# Altium PCB X3.PcbDoc (part 2 of 2) (continued)
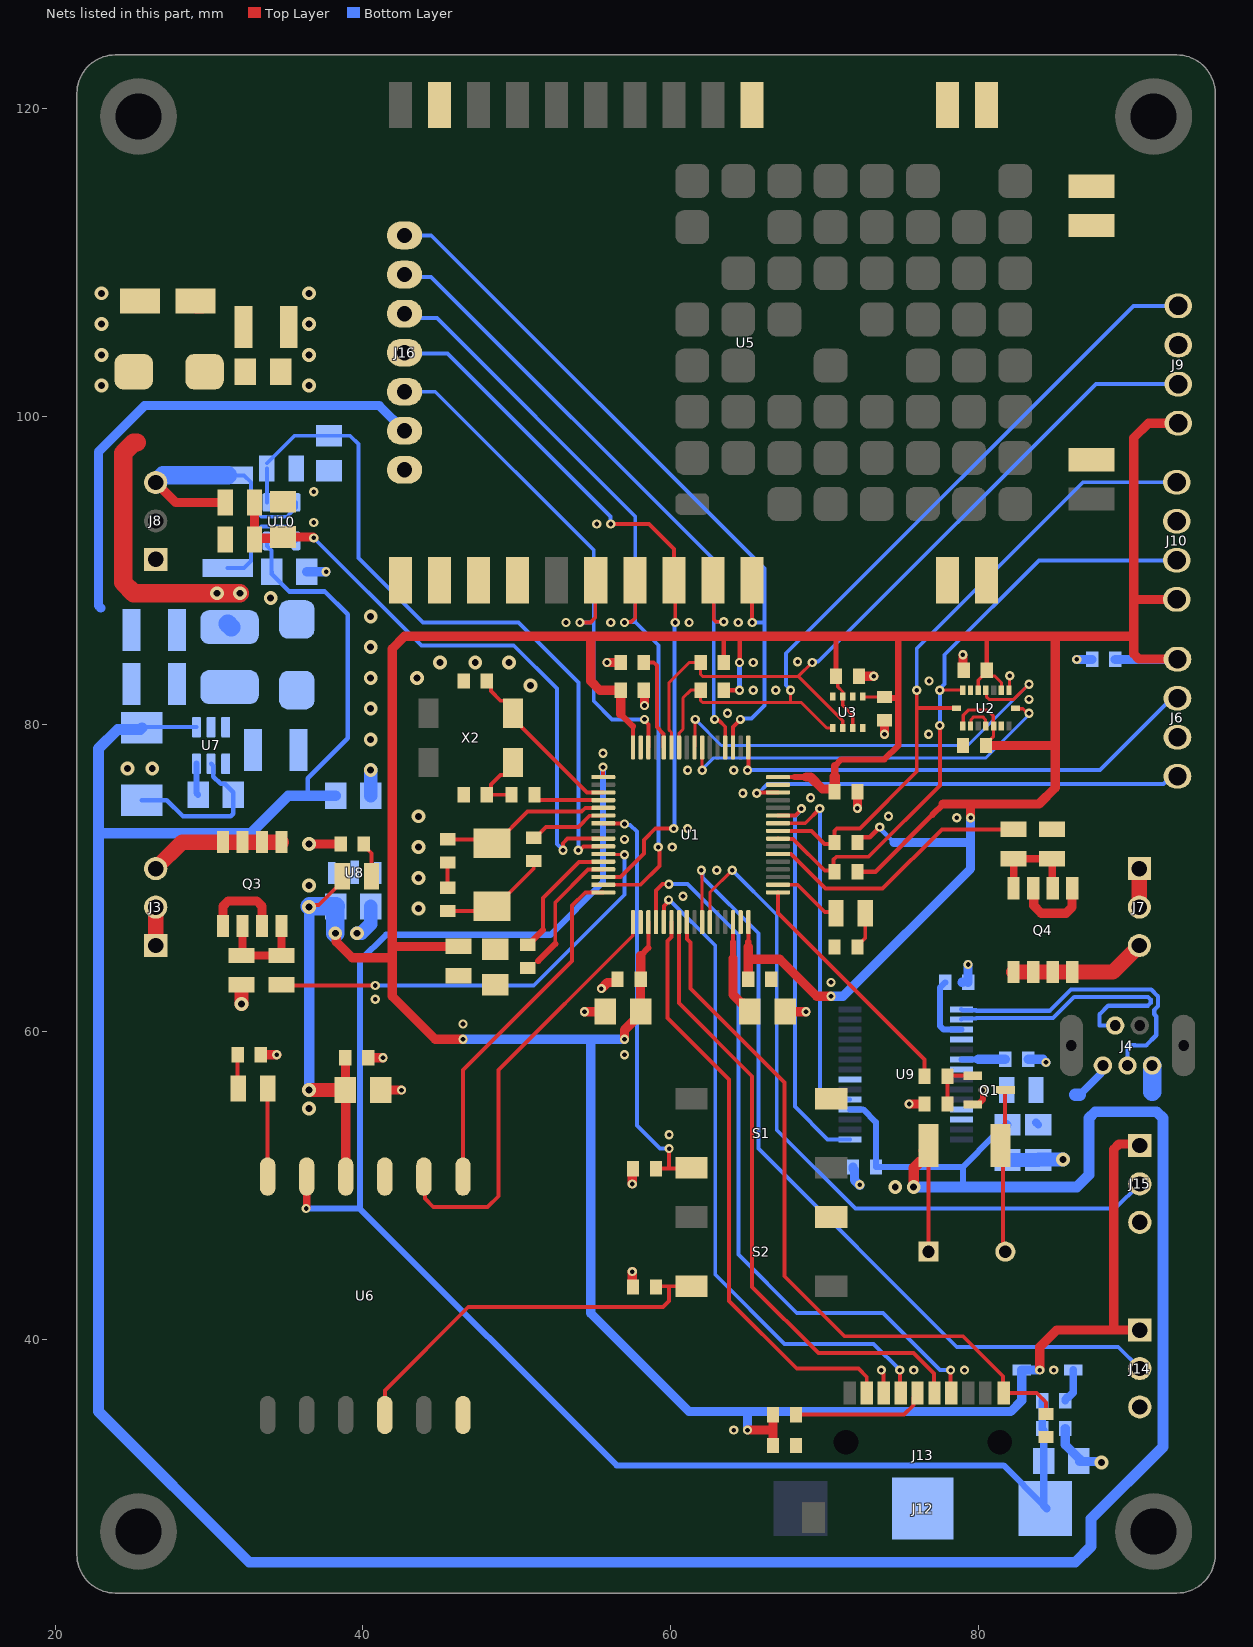
[diagram p2: the nets of this part, all layers, seen from the top]
## Part data (continued)
U10: "2.7 to 36V, 440kHz Variable gain current sense amplifier 5-SOT-23 -40 to 125", Manufacturer="Texas Instruments", Category="Amplifiers - Op Amps, Buffer, Instrumentation", ComponentLink1Description=https://datasheet.ciiva.com/15128/getdatasheetpartid-248784-15128606.pdf?src-supplier=Verical, ComponentLink1URL=https://datasheet.ciiva.com/15128/getdatasheetpartid-248784-15128606.pdf?src-supplier=Verical, ComponentLink2Description=https://datasheet.ciiva.com/1939/ina139-1939992.pdf?src-supplier=Digikey, ComponentLink2URL=https://datasheet.ciiva.com/1939/ina139-1939992.pdf?src-supplier=Digikey, ComponentLink3Description=https://datasheet.ciiva.com/1939/ina139-1939993.pdf?src-supplier=Digikey, ComponentLink3URL=https://datasheet.ciiva.com/1939/ina139-1939993.pdf?src-supplier=Digikey, ComponentLink4Description=https://datasheet.ciiva.com/1939/ina139-1939994.pdf?src-supplier=Digikey, ComponentLink4URL=https://datasheet.ciiva.com/1939/ina139-1939994.pdf?src-supplier=Digikey, ComponentLink5Description=https://datasheet.ciiva.com/2976/ina169-2976115.pdf?src-supplier=Avnet, ComponentLink5URL=https://datasheet.ciiva.com/2976/ina169-2976115.pdf?src-supplier=Avnet, Manufacturer Part Number=INA139NA/3K, Pricing 1="1=1,5, 10=1,27, 50=1,27, 100=1,02, 1000=0,737, 10000=0,736 (USD)", RoHS=Yes, Stock 1=20541, Supplier 1=Mouser
X1: "Crystal 8MHz ±20ppm (Tol) ±30ppm (Stability) 18pF FUND 140Ohm 2-Pin Mini-CSMD T/R", Manufacturer=Abracon, Category=Crystals, ComponentLink1Description=https://datasheet.ciiva.com/862/abm3-862465.pdf?src-supplier=Digikey, ComponentLink1URL=https://datasheet.ciiva.com/862/abm3-862465.pdf?src-supplier=Digikey, Manufacturer Part Number=ABM3-8.000MHZ-D2Y-T, Pricing 1="1000=0,325, 2000=0,275, 3000=0,315, 4000=0,27, 5000=0,31, 10000=0,305, 20000=0,295 (USD)", Reach SVHC Compliant=4187SVHC, RoHS=Yes, Stock 1=237000, Supplier 1="Future Electronics"
X2: "Crystal, Plastic Molded 32.768Khz, 6Pf, 20Ppm-40+85C, 8 X 3.8 X 2.5 Rohs Compliant: Yes", Manufacturer=Abracon, Category=Crystals, ComponentLink1Description=https://datasheet.ciiva.com/854/abs25-854528.pdf?src-supplier=Digi-Key, ComponentLink1URL=https://datasheet.ciiva.com/854/abs25-854528.pdf?src-supplier=Digi-Key, ComponentLink2Description=https://datasheet.ciiva.com/26909/getdatasheetpartid-722397-26909970.pdf?src-supplier=Verical, ComponentLink2URL=https://datasheet.ciiva.com/26909/getdatasheetpartid-722397-26909970.pdf?src-supplier=Verical, ComponentLink3Description=https://datasheet.ciiva.com/854/abs25-854527.pdf?src-supplier=Digi-Key, ComponentLink3URL=https://datasheet.ciiva.com/854/abs25-854527.pdf?src-supplier=Digi-Key, ComponentLink4Description=https://datasheet.ciiva.com/854/abs25-854529.pdf?src-supplier=Digi-Key, ComponentLink4URL=https://datasheet.ciiva.com/854/abs25-854529.pdf?src-supplier=Digi-Key, ComponentLink5Description=https://datasheet.ciiva.com/5788/abs25-5788102.pdf?src-supplier=Farnell, ComponentLink5URL=https://datasheet.ciiva.com/5788/abs25-5788102.pdf?src-supplier=Farnell, ComponentLink6Description=https://datasheet.ciiva.com/1357/1856019-1357324.pdf?src-supplier=Element14, ComponentLink6URL=https://datasheet.ciiva.com/1357/1856019-1357324.pdf?src-supplier=Element14, ComponentLink7Description=https://datasheet.ciiva.com/7998/1856019-7998662.pdf?src-supplier=Element14, ComponentLink7URL=https://datasheet.ciiva.com/7998/1856019-7998662.pdf?src-supplier=Element14, Manufacturer Part Number=ABS25-32.768KHZ-6-T, Pricing 1="3000=0,375, 6000=0,365, 9000=0,365, 12000=0,36, 15000=0,35 (USD)", RoHS=Yes, Stock 1=399000, Supplier 1="Future Electronics"

## Free pads (board coordinates)
  round 5 hole 3: ""(25.4,27.5) ""(25.4,119.5) ""(91.4,27.5) ""(91.4,119.5)

## Via types
v1: diameter 0.6, hole 0.3, Top Layer to Bottom Layer, tented both sides, 107 vias
v2: diameter 0.9, hole 0.45, Top Layer to Bottom Layer, tented both sides, 40 vias

## Nets (pads, with @x,y where several pads share a name; then routed paths per layer and width w, separated by ;. In a path a pad name is that pad's centre, name@x,y a point inside that pad or via, vN(x,y) a via of type N, cw(c..) or ccw(c..) an arc to the next point about the centre after c; other vN are vias at no path point)
3V3: C5.2 C7.2 C8.2 C9.2 C10.2 C13.2 C14.2 C15.2 C16.2 C17.2 C21.2 C27.2 C29.2 D3.A D7.C FB1.1 FB3.2 J6.4 J9.4 J10.4 J14.1 J15.1 R3.2 R5.2 R6.2 R7.2 R17.2 U1.19 U1.32 U1.48 U1.64 U2.3 U2.7 U2.11 U2.14 U3.2 U3.6 U3.8 U6.4 U8.3 | length 355.1
  Top Layer w0.2: C27.2@70.75,83.1 70.866,82.984 70.866,82.417 71.2,82.083 71.2,81.802 U3.6@71.189,81.791 71.189,81.211 71.839,80.561 U3.2@71.839,79.741 ; U3.8@72.489,81.791 72.53,81.75 C13.2@73.85,81.75 ; U2.7@78.997,79.867 79.022,79.892 79.022,80.578 79.344,80.9 80.6,80.9 80.972,80.528 80.972,79.892 U2.3@80.997,79.867 80.997,79.197 80.5,78.7 C15.2@80.5,78.6 ; U2.11@79.997,82.197 79.997,82.847 80.55,83.4 C14.2@80.55,83.5 ; C14.2@80.821,83.142 80.85,83.113 81.087,83.113 81.497,82.703 U2.14@81.497,82.197
  Top Layer w0.254: v2@36.6,68.1 36.724,68.224 37.124,68.224 38.65,69.75 D3.A@38.65,70.1 ; U1.64@57.55,78.48 57.55,79.85 ; 58.55,65.45 U1.19@58.55,67.12 ; 65.05,65.85 U1.32@65.05,67.12 ; U1.48@66.98,76.55 68.05,76.55
  Top Layer w0.3: R3.2@63.45,82.2 v1(64.473,82.2) ; R5.2@63.45,84 63.45,85.7 ; v1(64.473,84) 64.5,84.027 64.5,85.7 ; C27.2@70.75,83.1 70.75,85.7 ; R7.2@72.15,70.4 73.317,70.4 77.017,74.1 ; R6.2@72.15,72.3 72.15,72.4 72.4,72.65 72.95,72.65 v1(73.6,73.3) ; C14.2@80.55,83.5 80.55,85.7
  Top Layer w0.4: 56.75,80.65 57.55,79.85 ; 58.05,64.95 58.55,65.45 ; 65.05,65.5 65.05,65.85 ; 68.05,76.55 68.823,76.55 ; 70.667,77.267 71.1,77.7 73.9,77.7 74.8,78.6 74.8,81.7 ; C13.2@73.9,81.75 73.95,81.7 74.8,81.7 ; 74.8,85.7 74.8,81.7 ; 77.017,74.1 77.717,74.8
  Top Layer w0.5: 70.667,76.567 70.667,77.267
  Top Layer w0.6: v2@38.238,66.362 38.257,66.343 38.257,65.843 39.3,64.8 41.9,64.8 ; C17.2@38.857,56.2 C16.2@38.857,58.093 ; U6.4@38.88,50.58 C17.2@38.88,56.177 ; FB1.1@46.2,65.543 41.9,65.543 ; v1(46.5,59.5) 44.7,59.5 41.9,62.3 41.9,64.8 ; 56.75,80.65 C9.2@56.75,82.2 55.4,82.2 54.8,82.8 54.8,85.7 ; v1(57,59.5) 57,60.107 C5.2@58.043,61.15 ; C5.2@58.043,61.3 58.043,63.193 58.15,63.3 C7.2@58.1,63.35 ; C7.2@58.05,63.4 58.05,64.95 ; v1(65,34.1) 66.65,34.1 ; C10.2@65.05,63.5 65.05,64.7 ; 65.05,65.5 65.05,64.7 ; C29.2@66.65,33.1 66.65,34.1 ; FB3.2@66.65,35.1 66.65,34.1 ; 68.823,76.55 69.096,76.55 69.864,75.782 70.55,75.782 70.65,75.682 C8.2@70.65,75.6 ; v1(70.427,62.3) 69.5,62.3 67.1,64.7 65.05,64.7 ; 77.717,74.8 79.5,74.8 ; v1(79.5,73.9) 79.5,74.8 ; C15.2@80.5,78.6 85,78.6 ; v1(84,38) 84,39.5 85.1,40.6 88.8,40.6 ; J14.1@90.5,40.6 88.8,40.6 ; J15.1@90.5,52.6 90.4,52.7 89.151,52.7 88.8,52.349 88.8,40.6 ; J10.4@92.9,88.1 90.1,88.1 ; J6.4@92.95,84.22 90.451,84.22 90.1,84.571 90.1,85.7 ; J9.4@93,99.56 91.06,99.56 90.1,98.6 90.1,88.1 ; 41.9,64.8 41.9,65.543 ; 41.9,65.543 41.9,84.9 42.7,85.7 54.8,85.7 ; 54.8,85.7 63.45,85.7 64.5,85.7 70.75,85.7 74.8,85.7 80.55,85.7 85,85.7 ; 79.5,74.8 83.949,74.8 85,75.851 85,78.6 ; 85,78.6 85,85.7 ; 85,85.7 90.1,85.7 ; 90.1,85.7 90.1,88.1
  Top Layer w0.7: v2(38.2,66.4) v2@38.238,66.362 ; C5.2@58.043,61.15 C5.2@58.043,61.3 ; C8.2@70.65,75.6 70.667,75.617 70.667,76.567
  Top Layer w0.9: v2(36.5,56.2) C17.2@38.857,56.2
  Bottom Layer w0.3: v1(64.473,82.2) v1(64.473,84) ; v1(73.6,73.3) 73.6,73.219 74.519,72.3
  Bottom Layer w0.6: v1(46.5,59.5) 54.8,59.5 ; v1(57,59.5) 54.8,59.5 ; v1(65,34.1) 65,35.1 ; v1(70.427,62.3) 71.2,62.3 79.5,70.6 79.5,72.3 ; 74.519,72.3 79.5,72.3 ; v1(79.5,73.9) 79.5,72.3 ; v1(84,38) D7.C@82.82,38 82.82,36.02 82.1,35.3 61.2,35.3 54.8,41.7 54.8,59.5 ; R17.2@88.9,84.19 88.91,84.2 J6.4@92.95,84.2
  Bottom Layer w0.7: v2(36.5,68.1) 36.5,56.354 36.6,56.254 v2@36.6,56.2
  Bottom Layer w1.2: v2@36.54,68.14 C21.2@38.217,68.14 ; v2(38.2,66.4) C21.2@38.2,68.123
5V: C20.2 C23.2 C24.2 C25.2 C36.2 C37.2 C41.2 D5.1 FB2.2 J16.6 L1.2 U4.+ U7.1 U8.2 U9.4 U9.20 U10.5 | length 268.6
  Top Layer w0.254: U4.+@76.76,45.7 D5.1@76.76,52.59
  Top Layer w0.7: v2(75.8,49.9) 75.8,51.14 76.21,51.55 76.45,51.55 76.75,51.85 D5.1@76.75,52.58 ; D5.1@76.45,52.28 D5.1@76.75,52.58 ; D5.1@76.75,52.6 D5.1@76.75,52.58 ; D5.1@76.76,52.59 D5.1@76.75,52.58
  Bottom Layer w0.254: L1.2@25.625,79.755 25.665,79.795 U7.1@29.175,79.795 ; U10.5@33.75,91.895 33.75,91.574 34.057,91.267 C41.2@34.057,89.9
  Bottom Layer w0.3: C41.2@34.057,89.9 34.057,89.75 35.195,88.612 37.512,88.612 39,87.124 39,79.07 36.4,76.47 36.4,75.64 36.1,75.34 36.1,75.3
  Bottom Layer w0.4: U9.4@71.65,54.95 72.516,54.95 73.35,54.116 C24.2@73.35,51.2 79,51.2 ; U9.20@78.9,58.2 80,58.2 ; 79,49.9 79,51.2 ; C23.2@81.9,53.943 81.75,53.943 81.057,53.25 81.05,53.25 79,51.2
  Bottom Layer w0.5: C23.2@81.85,53.993 C23.2@81.9,53.943
  Bottom Layer w0.6: 22.95,87.55 22.8,87.7 22.8,97.7 25.8,100.7 41.06,100.7 J16.6@42.7,99.06 ; 80,58.2 C25.2@81.75,58.2
  Bottom Layer w0.7: L1.2@25.625,79.755 25.52,79.65 24.05,79.65 22.8,78.4 22.8,72.9 ; C20.2@38.217,75.34 36.1,75.34 35.14,75.34 32.7,72.9 22.8,72.9 ; v2(75.8,49.9) 79,49.9 86.4,49.9 87.2,50.7 87.2,54.39 87.61,54.8 91.59,54.8 92,54.39 92,33 87.329,28.329 87.329,26.529 86.3,25.5 32.6,25.5 22.8,35.3 22.8,72.9
11V1: C38.1 C39.2 C40.2 D8.2 F1.1 R13.1 U5.3 U5.4 U10.4 | length 25.3
  Top Layer w1.2: 25.3,98.3 25.103,98.3 24.4,97.597 24.4,89.203 25.103,88.5 v2(30.5,88.5) v2(32,88.5)
  Top Layer w1.4: C38.1@29.1,107.5 29.2,107.4 C38.1@29.5,107.4
  Bottom Layer w0.254: R13.1@31.2,90.137 32.26,90.137 32.708,90.585 32.708,92.129 33.406,92.827 35.159,92.827 35.495,92.492 35.495,92.051 U10.4@35.65,91.895
  Bottom Layer w1.2: F1.1@31.203,86.522 F1.1@31.425,86.3
ADC1_IN11: C30.2 R15.1 R16.2 U1.9 | length 40.1
  Top Layer w0.254: v1(53,71.8) 53.004,71.804 53.004,72.251 53.303,72.55 U1.9@55.62,72.55
  Top Layer w0.6: R15.1@32.95,94.4 R16.2@32.95,92 33.028,92.078 34.722,92.078 C30.2@34.8,92.157 36.743,92.157 v1(36.8,92.1)
  Bottom Layer w0.254: v1(36.8,92.1) 43.8,85.1 49.8,85.1 52.6,82.3 52.6,72.2 v1(53,71.8)
ADC1_IN12: C31.2 R22.2 U1.10 U10.1 | length 46.8
  Top Layer w0.254: v1(54,71.8) 54.094,71.8 54.344,72.05 U1.10@55.62,72.05
  Bottom Layer w0.254: U10.1@33.75,94.405 R22.2@33.75,96.6 ; R22.2@33.75,96.95 35.543,98.743 39.157,98.743 39.7,98.2 39.7,90.8 43.9,86.6 50.1,86.6 54,82.7 v1(54,71.8)
AVDD: C2.2 C3.2 FB1.2 U1.13 | length 8.3
  Top Layer w0.254: 52.5,65.7 52.5,68.4 54.637,70.537 55.607,70.537 U1.13@55.62,70.55
  Top Layer w0.4: 51.395,64.595 52.5,65.7
BOOT0: R1.2 U1.60 | length 6.4
  Top Layer w0.254: R1.2@58.25,84 58.9,84 59.1,83.8 59.1,79.796 59.537,79.359 59.537,78.493 U1.60@59.55,78.48
Buzzer: R8.1 U1.33 | length 15.9
  Top Layer w0.254: U1.33@66.98,69.05 66.98,67.72 76.5,58.2 R8.1@76.5,57.1
EXTI3: U1.55 U2.16 | length 25.4
  Top Layer w0.2: v1(62.05,77) U1.55@62.05,78.48 ; U2.16@82.412,81.032 82.454,80.99 82.902,80.99 83.192,80.7 v1(83.3,80.7)
  Bottom Layer w0.2: v1(62.05,77) 62.05,77.05 62.8,77.8 80.5,77.8 83.3,80.6 v1(83.3,80.7)
EXTI4: U1.56 U2.12 | length 29.6
  Top Layer w0.2: U1.56@61.55,78.48 61.575,78.505 61.575,80.275 v1(61.6,80.3) ; U2.12@80.497,82.197 80.522,82.172 80.522,81.778 80.7,81.6 82.31,81.6 v1(83.3,82.59)
  Bottom Layer w0.2: v1(61.6,80.3) 63.3,78.6 79.31,78.6 v1(83.3,82.59)
GND: C1.1 C2.1 C3.1 C4.1 C5.1 C7.1 C8.1 C9.1 C10.1 C11.1 C12.1 C13.1 C14.1 C15.1 C16.1 C17.1 C18.1 C20.1 C21.1 C22.1 C23.1 C24.1 C25.1 C26.1 C27.1 C28.1 C29.1 C30.1 C31.1 C32.1 C33.1 C34.1 C35.1 C36.1 C37.1 C38.2 C39.1 C40.1 C41.1 D2.1 D8.1 J4.5 J6.2 J8.1 J9.2 J10.2 J12.2 J13.6 J14.3 J15.3 J16.7 Q1.2 Q3.1 Q3.3 Q4.1 Q4.3 R1.1 R4.2 R9.1 R12.2 R14.2 R16.1 R17.1 R20.1 R21.1 R22.1 R24.1 S1.3 S2.3 U1.12 U1.18 U1.31 U1.47 U1.63 U2.2 U2.4 U2.6 U2.10 U2.15 U3.1 U3.5 U3.7 U5.1 U5.2 U5.11 U5.12 U5.14 U5.15 U5.16 U5.17 U5.18 U5.19 U5.27 U6.3 U6.12 U7.4 U8.1 U9.7 U9.18 U9.21 U9.25 U9.26 U10.2 | length 65.9
  Top Layer w0.2: U2.6@79.497,79.867 79.522,79.892 79.522,80.286 79.698,80.462 80.296,80.462 80.472,80.286 80.472,79.892 U2.4@80.497,79.867 ; U2.15@81.997,82.197 82.023,82.223 82.023,83.109 v1(82.048,83.134)
  Top Layer w0.254: C12.1@45.5,69.35 C11.1@45.5,71 ; C2.1@48.6,65.343 C2.1@48.9,65.643 ; C3.1@50.7,65.643 50.8,65.643 51.073,65.916 C3.1@51.073,65.976 ; 51.7,66.603 51.7,68.7 54.037,71.037 55.607,71.037 U1.12@55.62,71.05 ; v1(73.7,38) 73.7,37.906 73.85,37.756 J13.6@73.85,36.5
  Top Layer w0.4: C3.1@51.073,65.976 51.7,66.603 ; Q1.2@79.633,55.26 79.976,55.26 80.3,55.584 v1(80.3,56.2)
  Top Layer w0.6: Q3.1@30.895,66.875 30.895,68.149 31.246,68.5 33.084,68.5 33.435,68.149 Q3.3@33.435,66.875 ; R12.2@33.35,58.5 v1(34.4,58.5) ; v2(36.5,72.2) R14.2@38.55,72.2 ; C16.1@40.35,58.3 v1(41.3,58.3) ; C17.1@41.143,56.2 v1(42.5,56.2) ; v1(54.4,61.3) C5.1@55.757,61.3 ; v1(55.5,62.8) 55.9,63.2 56.45,63.2 56.55,63.3 C7.1@56.55,63.4 ; v1(55.861,84) R1.1@56.75,84 ; v1(57.5,44.4) 57.5,43.45 C28.1@57.55,43.4 ; v1(57.5,50.1) 57.5,51.05 C1.1@57.55,51.1 ; C9.1@58.25,82.2 58.3,82.15 v1(58.3,81.2) ; C4.1@67.443,61.3 v1(68.8,61.3) ; v1(72.139,74.523) 72.15,74.534 C8.1@72.15,75.6 ; C27.1@72.25,83.1 v1(73.2,83.1) ; v1(73.9,79.34) C13.1@73.9,80.25 ; v1(75.5,55.3) R9.1@76.5,55.3 ; v1(79,84.5) 79,83.55 C14.1@79.05,83.5 ; Q4.3@83.565,69.325 83.6,69.29 83.6,68.2 84.1,67.7 85.7,67.7 86.1,68.1 86.1,69.32 Q4.1@86.105,69.325
  Top Layer w0.9: v2(32.1,61.8) R20.1@32.1,63.05
  Bottom Layer w0.6: C41.1@36.343,89.9 v1(37.6,89.9) ; C24.1@71.85,51.2 71.85,51.1 71.95,51 71.95,50.35 v1@72.3,50 ; 78.938,63.212 C26.1@78.95,63.2 ; C26.1@79.338,63.212 v1(79.338,64.366) ; C25.1@83.25,58.2 84.2,58.2 v1(84.4,58) ; C34.1@85.65,34.2 85.65,33.143 86.593,32.2 86.593,32.05 87.95,32.05 v2(88,32) ; v1(86.4,84.2) R17.1@87.4,84.2
  Bottom Layer w0.9: v2(39.6,66.4) 39.9,66.4 40.5,67 40.5,68.137 C21.1@40.503,68.14 ; v2(40.5,77) 40.5,75.343 C20.1@40.503,75.34 ; C23.1@81.9,51.657 C22.1@83.9,51.657 83.943,51.7 v2(85.5,51.7)
  Bottom Layer w1.2: 91.3,56.1 91.3,56.6 J4.5@91.3,57.8
  other v1: 64.1,34.1 75.8,38 79.1,38 84.9,38 72.3,50.05 59.9,53.3 57,58.5 46.5,60.5 40.8,62.1 70.427,63.2 60.8,68.8 63,70.5 60.1,72 57,72.5 61.1,73.2 78.6,73.9 74.162,74.003 69.1,75.2 64.7,75.5 61.1,77 64.1,77 55.6,78.1 76.772,79.34 63.7,80.7 83.3,81.6 65.373,82.2 66.832,82.2 76.8,82.8 65.373,84 68.255,84.045 53.2,86.6 56.1,86.6 61.2,86.6 64.4,86.6 55.2,93 36.8,93.1 36.8,95.1
  other v2: 74.6,49.9 36.5,55 43.6,68 36.5,69.5 43.6,70 43.6,72 43.6,74 24.7,77.1 26.3,77.1 40.5,79 40.5,81 50.9,82.5 40.5,83 43.5,83 45,84 47.3,84 49.5,84 40.5,85 40.5,87 34,88.2 23,102 36.5,102 23,104 36.5,104 23,106 36.5,106 23,108 36.5,108
GPIO0: J14.2 U1.26 | length 53.8
  Top Layer w0.2: v1(62,70.5) 62.05,70.45 U1.26@62.05,67.12
  Bottom Layer w0.254: v1(62,70.5) 62.066,70.434 62.066,70.034 65.7,66.4 65.7,52.4 78.6,39.5 89.1,39.5 J14.2@90.5,38.1
GPIO1: J15.2 U1.27 | length 48.4
  Top Layer w0.2: U1.27@62.55,67.12 62.55,69.05 v1(64,70.5)
  Bottom Layer w0.254: v1(64,70.5) 66.9,67.6 66.9,53.614 72.014,48.5 88.9,48.5 J15.2@90.5,50.1
GPS_LED: D4.A U6.6 | length 5.7
  Top Layer w0.254: U6.6@33.8,50.58 D4.A@33.8,56.3
H_R_EXT: C12.2 R2.1 X1.2 | length 7.2
  Top Layer w0.254: C12.2@45.5,67.85 48.1,67.85 X1.2@48.4,68.15 48.65,68.15 50.968,70.468 51.1,70.6 R2.1@51.1,71.1
HSE_IN: C11.2 U1.5 X1.1 | length 11.2
  Top Layer w0.254: C11.2@45.5,72.5 48.15,72.5 X1.1@48.4,72.25 48.65,72.25 50.7,74.3 54.2,74.3 54.45,74.55 U1.5@55.62,74.55
HSE_OUT: R2.2 U1.6 | length 5.1
  Top Layer w0.254: R2.2@51.1,72.6 51.2,72.6 51.9,73.3 54,73.3 54.737,74.037 55.607,74.037 U1.6@55.62,74.05
I2C1-SCL: J9.1 R3.1 U1.58 U3.4 | length 52.9
  Top Layer w0.2: U1.58@60.55,78.48 60.554,78.484 60.554,79.42 60.8,79.666 60.8,81.7 61.3,82.2 R3.1@61.95,82.2 61.95,81.517 62.067,81.4 67.8,81.4 ; v1(67.8,82.2) 67.8,81.4 ; U3.4@70.539,79.741 70.159,79.741 68.5,81.4 67.8,81.4
  Bottom Layer w0.254: v1(67.8,82.2) 67.8,82.222 67.5,82.522 67.5,84.6 90.08,107.18 J9.1@93,107.18
I2C1-SDA: J9.3 R5.1 U1.59 U3.3 | length 51.2
  Top Layer w0.2: U1.59@60.05,78.48 60.05,79.45 59.9,79.6 59.9,82.7 61.2,84 R5.1@61.95,84 61.95,83.217 62.067,83.1 68.3,83.1 ; v1(69.2,84) 68.3,83.1 ; U3.3@71.189,79.741 71.189,80.211 68.3,83.1
  Bottom Layer w0.254: v1(69.2,84) 69.258,84.058 69.597,84.058 87.64,102.1 J9.3@93,102.1
I2C3-SCL: J10.1 R6.1 U1.41 U2.8 | length 43.7
  Top Layer w0.254: U1.41@66.98,73.05 69.15,73.05 70,72.2 70.65,72.2 R6.1@70.65,72.3 70.65,73.05 70.8,73.2 72.3,73.2 76,76.9 76,81.032 ; v1(76,82.2) 76,81.032 ; U2.8@78.582,81.032 76,81.032
  Bottom Layer w0.254: v1@76,82.3 76,84.9 86.82,95.72 J10.1@92.9,95.72
I2C3-SDA: J10.3 R7.1 U1.40 U2.9 | length 42
  Top Layer w0.2: v1(77.5,82.2) v1(77.5,82.2) 78.996,82.199 U2.9@78.997,82.197
  Top Layer w0.254: U1.40@66.98,72.55 66.993,72.537 67.963,72.537 70.018,70.482 70.568,70.482 R7.1@70.6,70.45 ; R7.1@70.65,70.4 R7.1@70.6,70.45 ; v1(77.5,79.9) 77.5,76 72.873,71.373 70.773,71.373 70.6,71.2 R7.1@70.6,70.45
  Bottom Layer w0.254: v1(77.5,79.9) 77.5,82.294 77.8,82.594 77.8,84.5 83.94,90.64 J10.3@92.9,90.64
IN+: J8.3 R13.2 R15.2 U10.3 | length 17
  Top Layer w0.6: J8.3@26.525,95.7 27.825,94.4 R15.2@31.05,94.4
  Bottom Layer w0.254: R13.2@31.2,96.163 32.26,96.163 32.708,95.715 32.708,94.171 33.406,93.473 35.044,93.473 35.322,93.751 35.322,93.756 35.65,94.084 U10.3@35.65,94.405
  Bottom Layer w1.2: J8.3@26.554,95.7 27.017,96.163 R13.2@31.2,96.163
  Bottom Layer w1.4: J8.3@26.525,95.7 J8.3@26.554,95.7
L_R_EXT: C33.2 R23.1 X2.4 | length 4.6
  Top Layer w0.254: R23.1@49.65,75.4 C33.2@48.05,75.4 48.315,75.665 48.315,76.065 48.935,76.685 49.227,76.685 49.75,77.208 X2.4@49.75,77.5
LED: D1.A U1.34 | length 4.5
  Top Layer w0.254: U1.34@66.98,69.55 68.25,69.55 70.018,67.782 70.668,67.782 D1.A@70.75,67.7
LED-K: D1.K R4.1 | length 2.4
  Top Layer w0.254: R4.1@72.15,65.5 72.15,65.6 72.65,66.1 D1.K@72.65,67.7
LSE_IN: C32.2 U1.3 X2.1 | length 11.2
  Top Layer w0.254: C32.2@48.05,82.8 48.315,82.535 48.315,82.135 48.935,81.515 49.227,81.515 49.75,80.992 X2.1@49.75,80.7 50.273,80.177 50.273,79.827 54.55,75.55 U1.3@55.62,75.55
LSE_OUT: R23.2 U1.4 | length 4.7
  Top Layer w0.254: R23.2@51.15,75.4 51.15,75.323 51.423,75.05 U1.4@55.62,75.05
MISO: J13.7 U1.22 | length 38.4
  Top Layer w0.254: U1.22@60.05,67.12 60.05,66.15 59.8,65.9 59.8,60.9 63.8,56.9 63.8,42.5 68.2,38.1 72.2,38.1 72.75,37.55 J13.7@72.75,36.5
MOSI: J13.3 U1.23 | length 41.1
  Top Layer w0.254: U1.23@60.55,67.12 60.55,61.85 65.3,57.1 65.3,43.4 69.6,39.1 75.8,39.1 77.118,37.782 77.118,36.532 J13.3@77.15,36.5
NetC18_2: C18.2 D2.2 F1.2 U7.2 U7.3
NetC19_1: C19.1 L1.1 U7.5 | length 10.4
  Bottom Layer w0.3: L1.1@25.625,75.055 25.629,75.051 27.249,75.051 28.3,74 31.392,74 31.568,74.176 31.568,75.555 31.018,76.105 30.746,76.105 30.27,76.58 30.27,77.27 U7.5@30.125,77.415
NetC19_2: C19.2 U7.6 | length 2.1
  Bottom Layer w0.4: U7.6@29.175,77.415 29.175,75.512 C19.2@29.282,75.405
NetC22_2: C22.2 FB2.1 J4.1 | length 3
  Bottom Layer w0.5: C22.2@83.75,54.093 C22.2@83.9,53.943 ; 86.6,55.9 87.966,57.266 87.966,57.666 J4.1@88.1,57.8
  Bottom Layer w0.8: 86.3,55.9 86.6,55.9
NetC26_2: C26.2 U9.17 | length 4.5
  Bottom Layer w0.4: C26.2@77.85,63.2 77.5,62.85 77.5,60.384 77.734,60.15 U9.17@78.9,60.15
NetC28_2: C28.2 S2.2 U6.10 | length 25.6
  Top Layer w0.254: U6.10@41.42,35.08 41.42,36.68 46.84,42.1 59.5,42.1 59.9,42.5 59.9,43.45 ; C28.2@59.2,43.45 59.9,43.45 ; S2.2@61.35,43.45 59.9,43.45
NetC34_2: C34.2 C35.2 J12.1 R25.1 U1.1 U6.5 | length 107.3
  Top Layer w0.254: v1(55.6,77.2) 55.6,76.563 55.613,76.55 U1.1@55.62,76.55
  Top Layer w0.5: v1(36.3,48.5) 36.3,48.527 36.34,48.567 U6.5@36.34,50.58
  Bottom Layer w0.254: C34.2@84.15,34.2 C34.2@84.257,34.093
  Bottom Layer w0.4: v1(36.3,48.5) 39.8,48.5 ; v1(55.6,77.2) 55.6,69.7 52.2,66.3 41.5,66.3 39.8,64.6 39.8,48.5 ; J12.1@84.257,29.193 81.65,31.8 56.5,31.8 39.8,48.5
  Bottom Layer w0.5: C34.2@84.15,34.2 R25.1@84.15,36 ; C34.2@84.257,34.093 C35.2@84.257,32.1 84.257,29.193 J12.1@84.45,29
NetD3_K: D3.K R14.1 | length 2.3
  Top Layer w0.254: R14.1@40.05,72.2 40.05,72.1 40.55,71.6 D3.K@40.55,70.1
NetD4_K: D4.K R12.1 | length 2.2
  Top Layer w0.254: R12.1@31.85,58.5 31.85,56.35 D4.K@31.9,56.3
NetD5_2: D5.2 Q1.3 U4.- | length 10.8
  Top Layer w0.254: U4.-@81.76,45.7 81.6,45.86 81.6,52.45 D5.2@81.45,52.6 81.74,52.89 81.74,56.173 Q1.3@81.767,56.2
NetD7_A: D7.A R25.2 | length 2.3
  Bottom Layer w0.5: R25.2@85.65,36 85.65,36.1 85.8,36.25 85.887,36.25 86.18,36.543 D7.A@86.18,38
NetFB3_1: FB3.1 J13.4 | length 8.8
  Top Layer w0.254: FB3.1@68.15,35.1 75.162,35.1 75.777,35.715 75.777,36.227 J13.4@76.05,36.5
NetJ3_1: J3.1 J3.2 | length 2.5
  Top Layer w1: J3.1@26.525,65.6 J3.2@26.525,68.1
NetJ3_3: J3.3 Q3.5 Q3.6 Q3.7 Q3.8 | length 8.9
  Top Layer w1: J3.3@26.525,70.6 28.25,72.325 Q3.8@30.895,72.325 Q3.7@32.165,72.325 Q3.6@33.435,72.325 Q3.5@34.705,72.325
NetJ7_1: J7.1 J7.2 | length 2.5
  Top Layer w1: J7.2@90.475,68.1 J7.1@90.475,70.6
NetJ7_3: J7.3 Q4.5 Q4.6 Q4.7 Q4.8 | length 8.9
  Top Layer w1: Q4.5@82.295,63.875 Q4.6@83.565,63.875 Q4.7@84.835,63.875 Q4.8@86.105,63.875 88.75,63.875 J7.3@90.475,65.6
NetJ16_1: J16.1 U1.51 U5.10 | length 48.7
  Top Layer w0.254: U1.51@64.05,78.48 64.05,79.815 v1(64.535,80.3) ; v1(65.3,86.6) U5.10@65.3,89.26
  Bottom Layer w0.254: J16.1@42.7,111.76 44.44,111.76 66.1,90.1 66.1,86.6 ; v1@64.535,80.365 65.265,80.365 66.1,81.2 66.1,86.6 ; v1(65.3,86.6) 66.1,86.6
NetJ16_2: J16.2 U1.52 U5.9 | length 44.2
  Top Layer w0.254: U5.9@62.8,89.3 62.8,86.8 62.95,86.65 v1(63.45,86.65) ; v1(62.857,80.3) 62.924,80.234 63.138,80.234 63.55,79.822 U1.52@63.55,78.48
  Bottom Layer w0.254: J16.2@42.7,109.22 42.851,109.069 44.431,109.069 62.8,90.7 62.8,86.65 ; v1@62.857,80.384 62.8,80.441 62.8,86.65 ; v1(63.45,86.65) 62.8,86.65
NetQ1_1: Q1.1 R8.2 R9.2 | length 3.4
  Top Layer w0.254: R9.2@78,55.3 R8.2@78,57.1 78.04,57.14 Q1.1@79.633,57.14
NetQ3_2: Q3.2 Q3.4 R18.2 R20.2 | length 6.5
  Top Layer w0.5: Q3.2@32.165,66.875 32.165,65.015 R20.2@32.1,64.95 R18.2@34.7,64.95 34.705,64.955 Q3.4@34.705,66.875
NetQ4_2: Q4.2 Q4.4 R19.2 R21.2 | length 6.3
  Top Layer w0.5: Q4.4@82.298,69.328 R19.2@82.298,71.198 ; R19.2@82.3,71.25 R21.2@84.8,71.25 ; Q4.2@84.818,69.343 R21.2@84.818,71.232
  Top Layer w0.7: Q4.4@82.295,69.325 Q4.4@82.298,69.328 ; R19.2@82.298,71.198 R19.2@82.3,71.2 ; R21.2@84.8,71.25 R21.2@84.818,71.232 ; Q4.2@84.818,69.343 Q4.2@84.835,69.325
NetR18_1: R18.1 U1.11 | length 28.8
  Top Layer w0.2: R18.1@34.7,63.05 R18.1@34.75,63 ; U1.11@55.62,71.55 55.645,71.525 56.975,71.525 v1(57,71.5)
  Top Layer w0.254: R18.1@34.75,63 v1(40.8,63)
  Bottom Layer w0.254: v1(40.8,63) 51.1,63 57,68.9 v1(57,71.5)
NetR19_1: R19.1 U1.38 | length 17.8
  Top Layer w0.254: U1.38@66.98,71.55 66.993,71.537 67.834,71.537 70.071,69.3 73.784,69.3 77.634,73.15 R19.1@82.3,73.15
NRST: C1.2 S1.2 U1.7 | length 27.8
  Top Layer w0.254: U1.7@55.62,73.55 55.633,73.537 56.963,73.537 v1(57,73.5) ; C1.2@59.05,51.1 59.9,51.1 ; v1(59.9,52.4) 59.9,51.1 ; S1.2@61.3,51.1 59.9,51.1
  Bottom Layer w0.254: v1(57,73.5) 57.066,73.434 57.366,73.434 57.8,73 57.8,53.9 59.3,52.4 v1(59.9,52.4)
RF_AUX: J16.5 U1.62 U5.6 | length 36.6
  Top Layer w0.254: v1(54.1,86.6) 54.778,86.6 55.1,86.922 55.1,89.32 U5.6@55.13,89.35 ; v1(58.3,80.3) 58.3,80.206 58.55,79.956 U1.62@58.55,78.48
  Bottom Layer w0.254: J16.5@42.7,101.6 44.7,101.6 55,91.3 55,86.6 ; v1@54.159,86.659 v1(54.1,86.6) 55,86.6 ; v1(58.3,80.3) 56.2,80.3 55,81.5 55,86.6
SCK: J13.5 U1.21 | length 43.3
  Top Layer w0.254: U1.21@59.55,67.12 59.563,67.133 59.563,68.169 59.865,68.471 v1(59.865,68.565) ; v1(74.9,38) 74.9,36.55 J13.5@74.95,36.5
  Bottom Layer w0.254: v1(59.865,68.565) 59.935,68.565 62.9,65.6 62.9,44.2 67.4,39.7 73.2,39.7 v1(74.9,38)
SD_CD: J13.9 R24.2 U1.24 | length 47.3
  Top Layer w0.254: U1.24@61.05,67.12 61.063,67.107 61.063,66.037 61.3,65.8 61.3,62.8 67.4,56.7 67.4,44.1 71.3,40.2 79,40.2 81.6,37.6 81.6,36.55 J13.9@81.65,36.5 83.8,36.5 84.391,35.909 84.391,35.259 R24.2@84.418,35.232
SS: J13.2 U1.20 | length 48.2
  Top Layer w0.254: U1.20@59.05,67.12 59.037,67.133 59.037,69.165 59.458,69.587 v1(59.887,69.587) ; v1(78.2,38) 78.2,36.55 J13.2@78.25,36.5
  Bottom Layer w0.254: v1(59.887,69.587) 59.9,69.6 61.1,69.6 64.4,66.3 64.4,45.5 68.2,41.7 73.8,41.7 77.5,38 v1(78.2,38)
SWCLK: J6.3 U1.49 | length 31.4
  Top Layer w0.254: v1(65,77) 65.05,77.05 U1.49@65.05,78.48
  Bottom Layer w0.254: v1(65,77) 87.92,77 92.6,81.68 J6.3@92.95,81.68
SWDIO: J6.1 U1.46 | length 29.2
  Top Layer w0.254: v1(65.6,75.5) 65.637,75.537 66.967,75.537 U1.46@66.98,75.55
  Bottom Layer w0.254: v1(65.6,75.5) 65.694,75.5 66.294,76.1 92.028,76.1 92.528,76.6 J6.1@92.95,76.6
UART4-RX: J16.3 U1.15 U5.7 | length 52
  Top Layer w0.254: U1.15@55.62,69.55 58.05,69.55 59.266,70.766 59.266,71.934 v1(59.2,72) ; v1(57,86.6) 57.028,86.628 57.428,86.628 57.7,86.9 57.7,89.32 U5.7@57.67,89.35
  Bottom Layer w0.254: J16.3@42.7,106.68 42.996,106.384 44.816,106.384 57.7,93.5 57.7,86.622 ; v1(57,86.6) 57.022,86.622 57.7,86.622 ; v1(59.2,72) 59.2,85.122 57.7,86.622
UART4-TX: J16.4 U1.14 U5.8 | length 47.8
  Top Layer w0.254: U1.14@55.62,70.05 56.75,70.05 58.273,71.573 58.273,72.473 59,73.2 v1(60.2,73.2) ; v1(56.1,93) 58.6,93 60.21,91.39 U5.8@60.21,89.35 60.3,89.26 v1(60.3,86.6)
  Bottom Layer w0.254: J16.4@42.7,104.14 42.74,104.1 45.5,104.1 56.1,93.5 v1(56.1,93) ; v1(60.2,73.2) 60.25,73.25 60.25,86.55 v1(60.3,86.6)
USART1-RX: U1.43 U9.1 | length 25.8
  Top Layer w0.254: U1.43@66.98,74.05 68.116,74.05 68.5,74.434 v1(68.5,74.5)
  Bottom Layer w0.254: v1(68.5,74.5) 68.5,74.406 68.073,73.979 68.073,55.127 70.2,53 U9.1@71.65,53
USART1-TX: U1.42 U9.5 | length 23.6
  Top Layer w0.254: U1.42@66.98,73.55 68.75,73.55 v1(69.7,74.5)
  Bottom Layer w0.254: v1(69.7,74.5) 69.7,56.3 70.4,55.6 U9.5@71.65,55.6
USART2-RX: U1.17 U6.2 | length 28.2
  Top Layer w0.254: U6.2@43.96,50.58 44.018,50.522 44.018,49.15 44.568,48.6 48.1,48.6 48.8,49.3 48.8,57.5 57.537,66.237 57.537,67.107 U1.17@57.55,67.12
USART2-TX: U1.16 U6.1 | length 22.9
  Top Layer w0.254: U6.1@46.5,50.58 46.5,57.5 53.6,64.6 53.6,68.2 54.45,69.05 U1.16@55.62,69.05
USB_D_N: J4.2 U9.16 | length 18.6
  Bottom Layer w0.281: U9.16@78.9,60.8 78.959,60.859 79.856,60.859 79.879,60.883 84.857,60.883 86.231,62.257 91.038,62.257 91.202,62.092 91.202,61.859 91.038,61.695 88.45,61.695 87.878,61.123 87.878,60.4 J4.2@88.9,60.4
USB_D_P: J4.3 U9.15 | length 19.7
  Bottom Layer w0.281: U9.15@78.9,61.45 78.959,61.391 79.856,61.391 79.879,61.367 84.656,61.367 86.03,62.741 91.238,62.741 91.686,62.293 91.686,61.659 91.433,61.405 91.433,61.132 91.571,60.994 91.571,59.765 90.911,59.105 90.202,59.105 90.185,59.122 89.7,59.122 J4.3@89.7,57.8
VCAP1: C4.2 U1.30 | length 6.4
  Top Layer w0.254: 64.05,65.825 U1.30@64.05,67.12
  Top Layer w0.4: 64.05,64.75 64.05,65.825
  Top Layer w0.6: 64.05,64.75 64.05,62.407 64.607,61.85 64.757,61.85 65.157,61.45 C4.2@65.157,61.3
pads on no net: J4.4 J4.SH1 J4.SH2 J8.2 J12.3 J13.1 J13.8 J13.10 J13.MH1 J13.MH2 J13.MP1 J13.MP2 S1.1 S1.4 S2.1 S2.4 U1.2 U1.8 U1.25 U1.28 U1.29 U1.35 U1.36 U1.37 U1.39 U1.44 U1.45 U1.50 U1.53 U1.54 U1.57 U1.61 U2.1 U2.5 U2.13 U5.5 U5.13 U5.20 U5.21 U5.22 U5.23 U5.24 U5.25 U5.26 U5.28 U5.29 U6.7 U6.8 U6.9 U6.11 U9.2 U9.3 U9.6 U9.8 U9.9 U9.10 U9.11 U9.12 U9.13 U9.14 U9.19 U9.22 U9.23 U9.24 U9.27 U9.28 X2.2 X2.3

## Polygon pours and split planes (outlines as drawn)
11V1 on Top Layer "NONET_L-01_P-001" (solid, pour order 27): 51.1,90.9 51.1,87.2 50.8,86.9 46.9,86.9 46.6,87.2 46.6,92.9 46.3,93.2 40.6,93.2 36.1,97.7 27.8,97.7 24.9,97.7 24.9,98.866 25,98.9 27.1,98.9 27.5,99.3 27.5,108.2 27.7,108.5 33.2,108.5 33.5,108.2 33.5,99.4 33.8,99.1 37.6,99.1 41.5,95.2 50.8,95.2 51.1,94.9
AVDD on Top Layer "NONET_L-01_P-001" (solid, pour order 2): 49.6,64.2 47.5,64.2 47.4,64.3 45.4,64.3 45.1,64 45.1,63.2 45.4,62.9 47.3,62.9 47.5,62.7 47.5,62.4 47.8,62.1 49.4,62.1 49.7,62.4 49.7,63.3 50,63.6 51.2,63.6 51.5,63.9 51.5,64.5 51.3,64.7 50.1,64.7
GND on Top Layer "NONET_L-01_P-001" (solid, pour order 1): 47.9,66.3 47.6,66 47.6,64.8 47.9,64.5 49.5,64.5 49.7,64.7 50.1,65.1 51.1,65.1 51.4,65.4 51.4,66.1 51.2,66.3 51.1,66.3
GND on Top Layer "NONET_L-01_P-001" (solid, remove dead copper, pour order 31): 22.5,121 22.5,26 ccw(c24,26) 24,24.5 93,24.5 ccw(c93,26) 94.5,26 94.5,121 ccw(c93,121) 93,122.5 24,122.5 ccw(c24,121)
11V1 on Bottom Layer "NONET_L-01_P-001" (solid, pour order 26): 33.3,85.6 33.3,85.4 33,85.1 29.4,85.1 29.1,85.4 29.1,87.2 28.8,87.5 28.8,90.4 29.1,90.7 32.7,90.7 33,90.4 33,88.1 33.3,87.8
5V on Bottom Layer "NONET_L-01_P-001" (solid, pour order 21): 26,87.4 25.7,87.7 23.1,87.7 22.8,87.4 22.8,78.4 23,78.2 26.7,78.2 27,78.5 27,80.9 26,81.9
NetC18_2 on Bottom Layer "NONET_L-01_P-001" (solid, pour order 20): 38,83.7 37.7,84 29.7,84 29.4,83.7 29.4,81.1 29.8,80.8 29.8,79.2 30,79 31.7,79 32,78.7 32,76.9 32.3,76.6 33.7,76.6 34,76.9 34,80.2 34.3,80.5 37.7,80.5 38,80.8
3V3 on Bottom Layer "NONET_L-01_P-001" (solid, pour order 16): 38.3,71.1 38.1,71.3 37.8,71.3 37.6,71.1 37.6,69.2 37.4,69 37.4,67.3 37.6,67.1 38.8,67.1 39.1,67.4 39.1,68.8 38.9,69 38.5,69 38.3,69.2
5V on Bottom Layer "NONET_L-01_P-001" (solid, pour order 13): 39.1,76.4 38.9,76.6 37.4,76.6 37.2,76.4 37.2,74.5 37.6,74.1 38.4,74.1 38.7,73.8 38.7,69.5 38.9,69.3 40,69.3 40.2,69.5 40.2,74 40,74.2 39.3,74.2 39.1,74.4
5V on Bottom Layer "NONET_L-01_P-001" (solid, pour order 12): 82.8,53.3 82.6,53.1 81.2,53.1 80.9,53.4 80.9,58.5 81.2,58.8 82.2,58.8 82.5,58.5 82.5,54.9 82.8,54.6
NetC22_2 on Bottom Layer "NONET_L-01_P-001" (solid, pour order 11): 86.3,56.3 86,56.6 85.1,56.6 84.7,57 84.4,57.3 83.3,57.3 83,57 83,53.2 83.3,52.9 84.7,52.9 85,53.2 85,54.9 85.3,55.2 86,55.2 86.3,55.5
GND on Bottom Layer "NONET_L-01_P-001" (solid, remove dead copper, pour order 34): 24,122.5 ccw(c24,121) 22.5,121 22.5,26 ccw(c24,26) 24,24.5 93,24.5 ccw(c93,26) 94.5,26 94.5,121 ccw(c93,121) 93,122.5

## Silkscreen, mask and mechanical layers (free items; w line width, h text height)
Top Overlay:
  drawing of 693 lines, arcs and shapes, not listed
  text "E22-400T37S → UART4 / M0 → PC10 / M1 → PC11 / AUX → PB9" at 28.063,114.8 h1.1
  text "E22-400T30D" at 40.639,107.25 h1.2 r90
  text "SCL1" at 89.087,106.778 h1.2
  text "GND" at 89.085,104.278 h1.2
  text "SDA1" at 88.807,101.761 h1.2
  text "IN + < 15V" at 22.796,99.161 h1.2
  text "3V3" at 89.413,99.178 h1.2
  text "SCL3" at 89.35,95.46 h1.1
  text "GND" at 89.085,92.861 h1.2
  text "SDA3" at 88.802,90.361 h1.2
  text "3V3" at 89.413,87.861 h1.2
  text "IN -" at 22.796,86.653 h1.2
  text "BME280 → I2C1" at 70.045,85.614 h1.2
  text "BMI088 → I2C3" at 78.35,85.614 h1.2
  text "3V3" at 89.413,83.861 h1.2
  text "SWCLK" at 88.128,81.361 h1.2
  text "GND" at 89.085,78.761 h1.2
  text "LSE" at 51.65,77.261 h1.2
  text "SWDIO" at 88.075,76.261 h1.2
  text "Kurtarma 1 → PC3" at 22.75,74.014 h1.2
  text "Kurtarma 2 → PC7" at 86.896,74.014 h1.2
  text "3V3 LED" at 38.05,67.761 h1.2
  text "HSE" at 50.65,67.761 h1.2
  text "User LED → PB13" at 73.95,66.614 h1.2
  text "Buzzer → PB12" at 73.937,65.205 h1.2
  text "Mini USB → USART1" at 76.45,59.014 h1.2
  text "RESET" at 57.417,55.361 h1.2
  text "1PPPS" at 31.15,53.961 h1.2
  text "3V3" at 85.65,52.761 h1.2
  text "PB1" at 85.687,49.753 h1.2
  text "GPS RESET" at 55.55,47.761 h1.2
  text "GND" at 85.323,47.261 h1.2
  text "3V3" at 85.65,40.661 h1.2
  text "PB0" at 85.667,37.761 h1.2
  text "Edirnekapı UKB v0.0 TEST" at 25.751,36 h2.4 r90
  text "GND" at 85.323,35.161 h1.2
  text "L86-M33 → USART2" at 50.55,33.714 h1.2
  text "IMU" at 33.509,30.664 h0.9
  text "Y" at 36.809,28.464 h0.9
  text "Z" at 31.309,28.364 h0.9
  text "X" at 33.309,24.864 h0.9
  text "Micro SD → SPI1" at 62.35,24.514 h1.2
  text "e" at 46.258,24.025 h9
  text "o" at 39,20.445 h14
Bottom Overlay:
  text "FT232RNL" at 76.55,62.761 h1.2
  text "CR1220" at 69.25,35.161 h1.2
Mechanical 1:
  lines w0.1: 21.4,62 59.9,62 59.9,23.5 ; 21.4,26 ccw(c23.9,26) 23.9,23.5 92.9,23.5 ccw(c92.9,26) 95.4,26 95.4,121 ccw(c92.9,121) 92.9,123.5 23.9,123.5 ccw(c23.9,121) 21.4,121 21.4,26

## Text inside footprints (layer, text, board x,y; h text height)
C38: Top Overlay "+" at 28.7,110.2 h1.22
D1: Top Overlay "+" at 69.533,67.5 h1 r180
D3: Top Overlay "+" at 37.333,71.3 h1 r180
D4: Top Overlay "+" at 35.017,56.5 h1